# Altium PCB PIR_Sensor_Output_V1.3.1_Nov2023_1402.06.05.PcbDoc
Units mil, origin at the board's own origin, x right, y up, seen from the top; angles counter-clockwise.
Board outline 2227 x 2244.84 mil, 2 copper layers (Top Layer, Bottom Layer); 69 components, 0 nets, 174 pads, 69 vias.
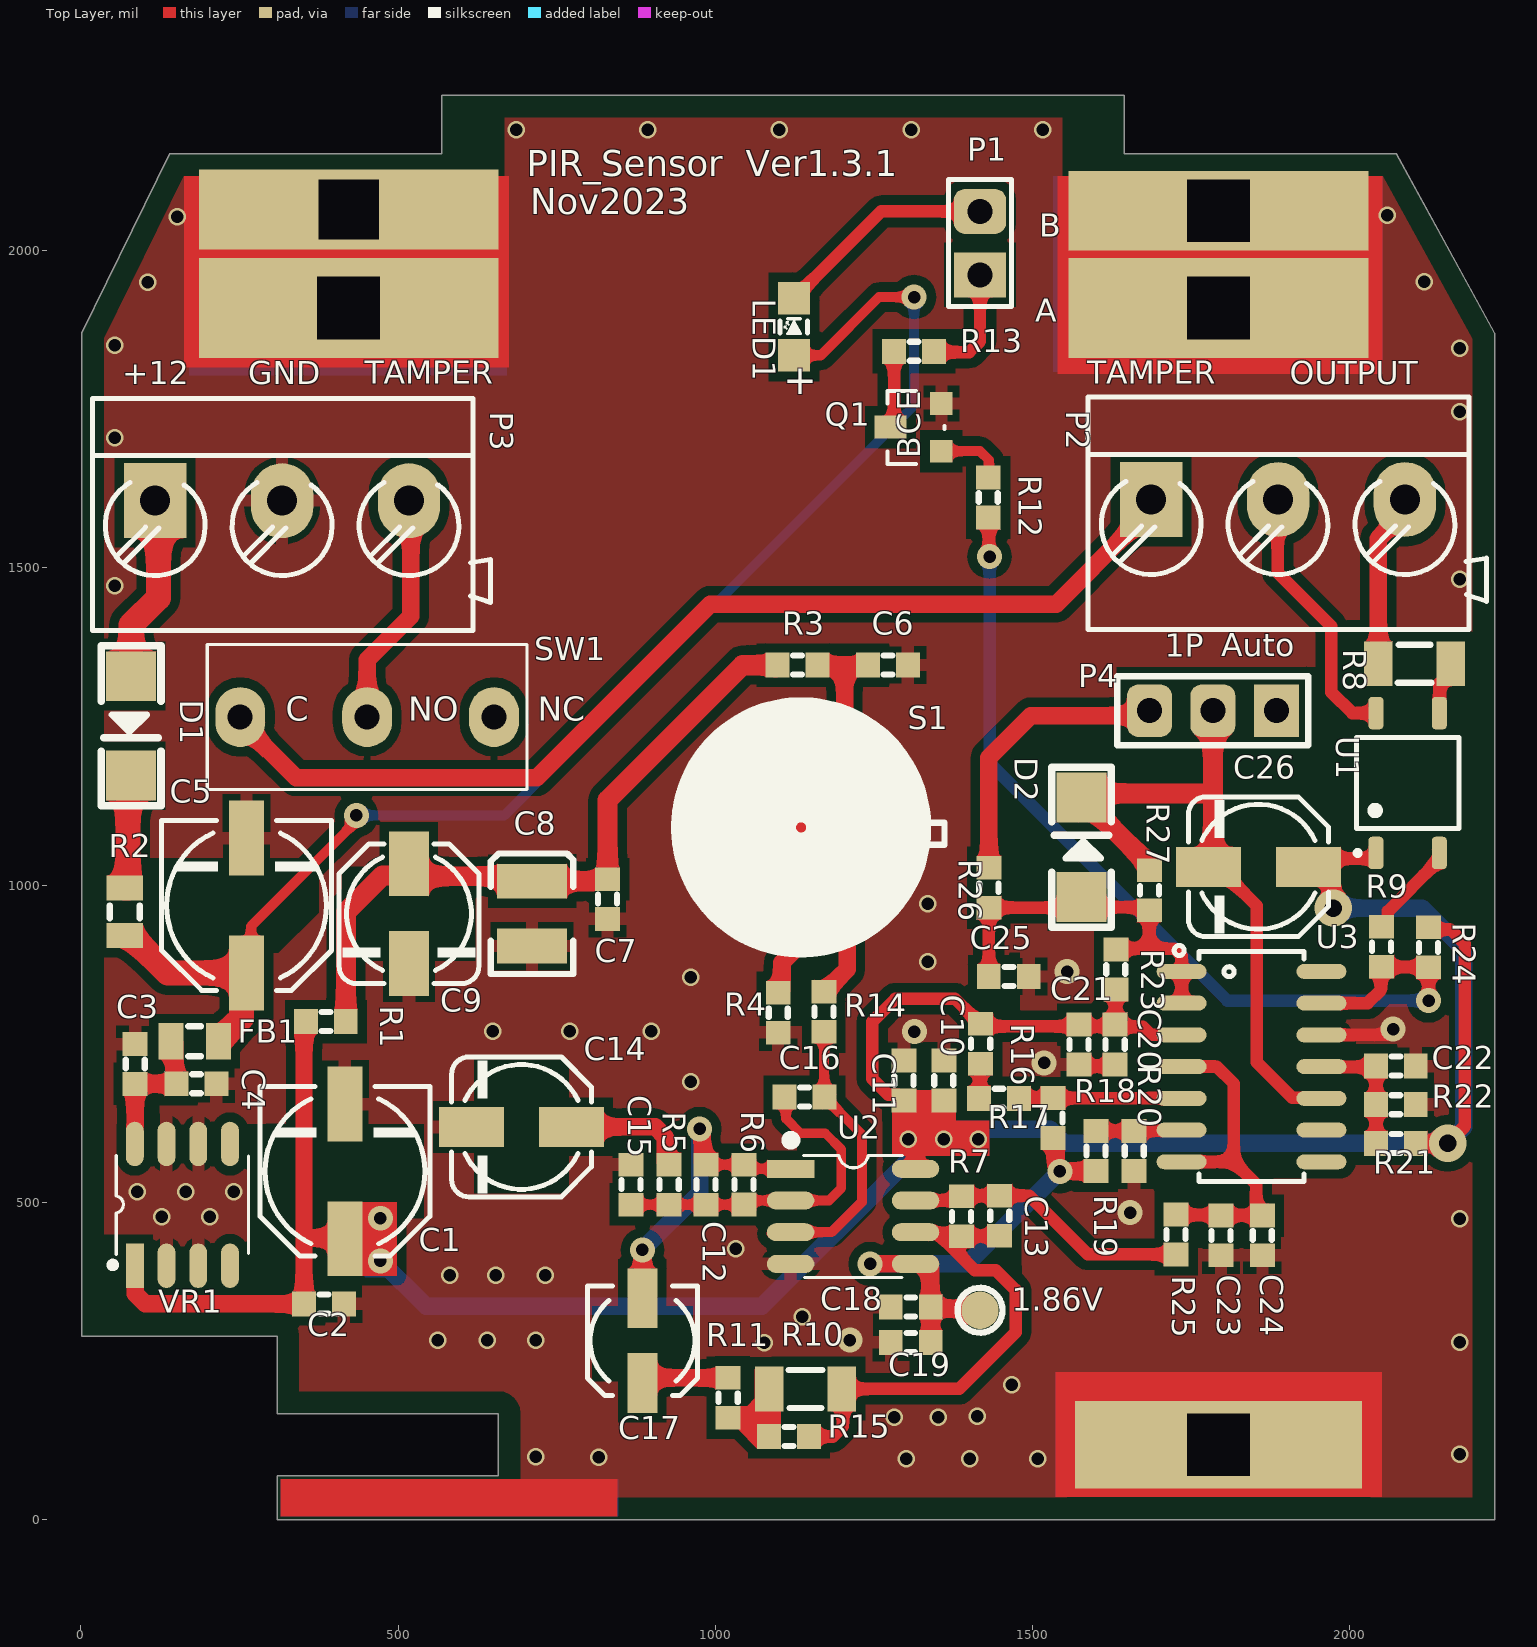
[diagram p0: Top Layer view]
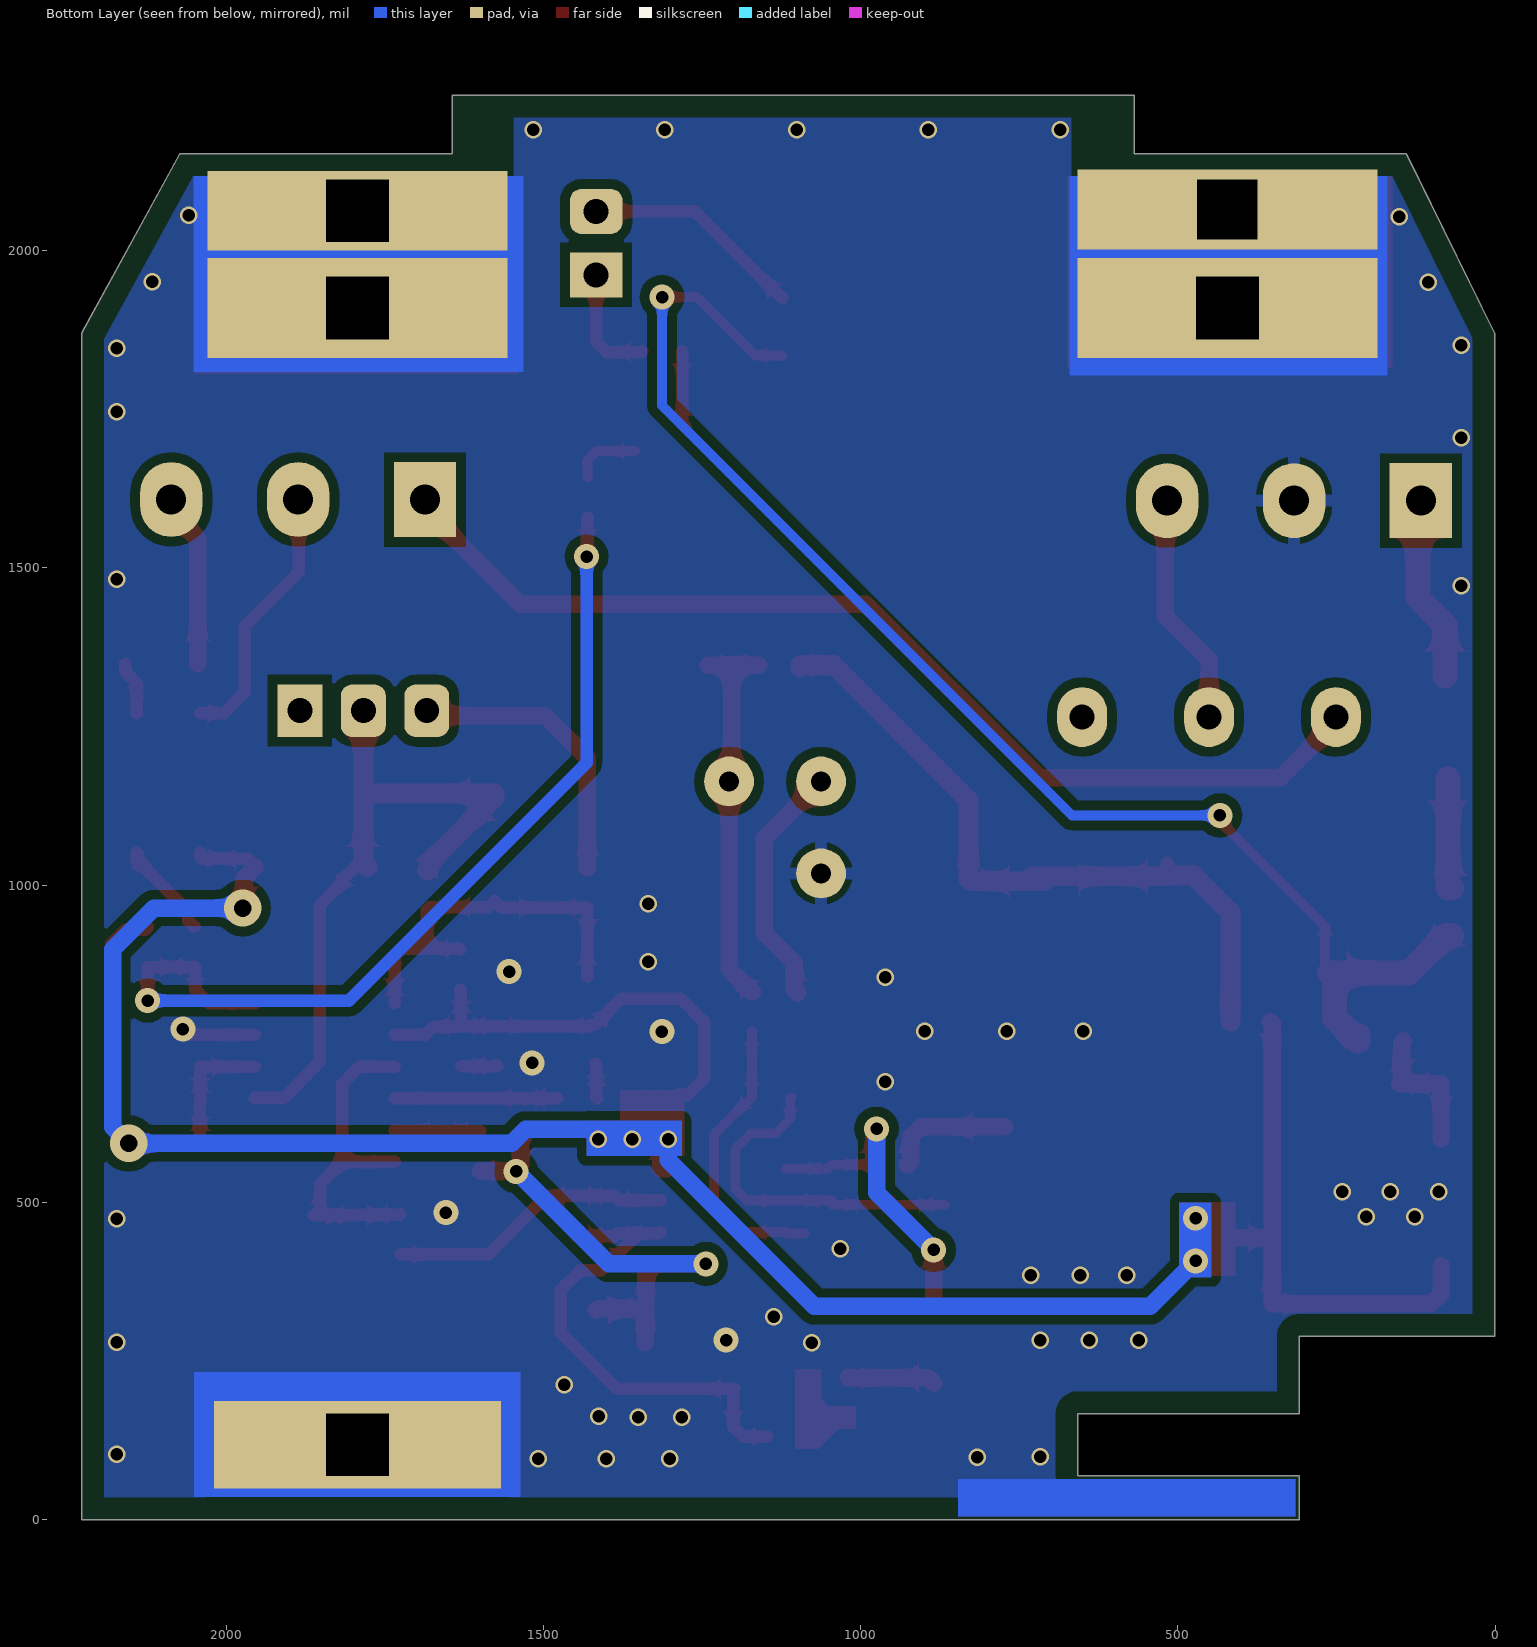
[diagram p1: Bottom Layer view, seen from below]

## Layer stack, top to bottom
Top Solder: solder mask 0.4, Solder Resist, Dk 3.5
Top Layer: signal copper 1.4
Dielectric 1: dielectric 12.6, FR-4, Dk 4.8
Bottom Layer: signal copper 1.4
Bottom Solder: solder mask 0.4, Solder Resist, Dk 3.5

## Board outline
309,0.16 309,68.78 658,68.78 658,167.22 309,167.22 309,289 1,289 1,1870 140.14,2153 569,2153 569,2245 1644,2245 1644,2153 2073,2153 2228,1870 2228,0.16

## Design rules (kind name [scope] priority, off if disabled: settings)
Clearance [All] p1: gap=10 ignorepadtopadclearanceinfootprint=FALSE except(0: Arc-Hole Track-Hole SMDPad-Hole THPad-Hole Via-Hole Fill-Hole Poly-Hole Region-Hole Text-Hole)
PolygonConnect [All] p1: connectstyle=Relief reliefconductorwidth=10 reliefentries=4 polygonreliefangle="90 Angle" airgapwidth=10
RoutingVias [All] p1: holewidth=28 width=50 viastyle="Through Hole" minholewidth=28 minwidth=50 maxholewidth=28 maxwidth=50
SolderMaskExpansion [All] p1: expansion=4 istentingtop=FALSE
Width [All] p1: maxlimit=10 minlimit=10 preferedwidth=10
30 further rules are at their usual default settings.

## Components (designator, comment, footprint, x,y, rotation, side; value= is the part's Value field where it differs from the comment)
1.86V "" TPSMD_C1 1417,330 r90 top net-tie
C1 "" CAP_EL_SMD_6X8 416,549 r90 top
C2 "" Cap_0603_Nominal 383,340 r180 top
C3 "" Cap_0603_Nominal 85.37,718.16 r270 top
C4 "" Cap_0603_Nominal 182,687 r180 top
C5 "" CAP_EL_SMD_6X8 261,968 r90 top
C6 "" Cap_0603_Nominal 1272,1347 r180 top
C7 "" Cap_0603_Nominal 830,978 r90 top
C8 "" Cap_Tantal(3528)_B 711,955 r90 top
C9 "" CAP_EL_SMD_5 517,955 r270 top
C10 "" Cap_0603_Nominal 1360,692 r270 top
C11 "" Cap_0603_Nominal 1297,692 r270 top
C12 "" Cap_0603_Nominal 985,528 r270 top
C13 "" Cap_0603_Nominal 1448,479 r270 top
C14 "" CAP_EL_SMD_5 694.26,619 r180 top
C15 "" Cap_0603_Nominal 867,528 r90 top
C16 "" Cap_0603_Nominal 1140.5,666 r180 top
C17 "" CAP_EL_SMD_4 885,282 r90 top
C18 "" Cap_0603_Nominal 1308,335 r0 top
C19 "" Cap_0603_Nominal 1308,279 r0 top
C20 "" Cap_0603_Nominal 1630,749 r90 top
C21 "" Cap_0603_Nominal 1573,749 r90 top
C22 "" Cap_0603_Nominal 2072.49,715 r180 top
C23 "" Cap_0603_Nominal 1797,448 r90 top
C24 "" Cap_0603_Nominal 1862,448 r90 top
C25 "" Cap_0603_Nominal 1462.5,856 r0 top
C26 "" CAP_EL_SMD_5 1855.74,1029 r180 top
D1 "" DIODE_SMA 79,1251 r270 top
D2 "" DIODE_SMA 1577,1060 r90 top
FB1 "" INDUCTOR_0805_Nominal 179,754 r0 top
LED1 "" LED_0805_NOMINAL 1122.82,1835.78 r90 top
P1 "" HDR_M_1X2_2.54mm 1417,2012 r90 top
P2 "" CON_KF301_5MM_3PIN 1886.78,1607.82 r0 top
P3 "" CON_KF301_5MM_3PIN 317,1606 r0 top
P4 "" HDR_M_1X3_2.54mm 1784,1275 r180 top
Q1 "" SOT23_BJT 1316,1721.5 r90 top
R1 "" Res_0603_Nominal 386,785 r180 top
R2 "" Res_0805_Nominal 69,958 r90 top
R3 "" Res_0603_Nominal 1129.5,1347 r0 top
R4 "" Res_0603_Nominal 1099,799 r90 top
R5 "" Res_0603_Nominal 927,528 r90 top
R6 "" Res_0603_Nominal 1045,528 r270 top
R7 "" Res_0603_Nominal 1388,478 r270 top
R8 "" Res_1206_NOMINAL 2102,1349 r0 top
R9 "" Res_0603_Nominal 2050,903 r90 top
R10 "" Res_1206_NOMINAL 1142,206 r180 top
R11 "" Res_0603_Nominal 1020,192 r90 top
R12 "" Res_0603_Nominal 1430,1611 r270 top
R13 "" Res_0603_Nominal 1313,1841.5 r180 top
R14 "" Res_0603_Nominal 1171,800.5 r90 top
R15 "" Res_0603_Nominal 1116,131 r180 top
R16 "" Res_0603_Nominal 1418,750 r90 top
R17 "" Res_0603_Nominal 1447,664 r180 top
R18 "" Res_0603_Nominal 1532,633 r270 top
R19 "" Res_0603_Nominal 1600,581 r90 top
R20 "" Res_0603_Nominal 1660,581 r270 top
R21 "" Res_0603_Nominal 2072.49,593 r180 top
R22 "" Res_0603_Nominal 2072.49,654 r0 top
R23 "" Res_0603_Nominal 1631,867 r270 top
R24 "" Res_0603_Nominal 2124,902 r270 top
R25 "" Res_0603_Nominal 1726,449.5 r270 top
R26 "" Res_0603_Nominal 1431,996 r90 top
R27 "" Res_0603_Nominal 1684,992 r90 top
S1 "" SENSOR_PIR_TO39 1135,1091 r270 top
SW1 "KLS7-KW10_12X5.0X6.0MM" SW_KLS7-KW10 451,1265 r0 top
U1 "" SOIC254P610X218-4N 2091,1161 r90 top
U2 "" SOIC8 1217,478 r0 top
U3 "" SO_14 1845,714 r0 top
VR1 "" SOP8 249,421 r90 top

## Footprints (in the part's own frame and the unit in brackets; to place one, negate y for a bottom-side part, rotate by r counter-clockwise, add the part's x,y. Pads: shape width x height; smd on the part's side, far side on the other; paste and mask are expansions set on the pad)
Cap_0603_Nominal [mm]
  rect 0.95x1 smd: 1(-0.8,0) 2(0.8,0)
  silkscreen extent -0.17,-0.38 0.17,0.38, body extent -0.8,-0.4 0.8,0.4, height 0.3
CAP_EL_SMD_4 [mm] "Electrolytic Cap, D: 4.3mm, Size B, 5.5mm Height"
  rect 2.4x1.2 smd: 1(-1.7,0) 2(1.7,0)
  Top Layer pour cut-out: 1.397,2.032 1.397,-2.032 -1.651,-2.032 -1.651,2.032
  silkscreen extent -2.2,-2.2 2.2,2.2, body extent -2.5,-2.15 2.5,2.15, height 5.5
CAP_EL_SMD_5 [mm] "Electrolytic Cap, D: 5.0mm, L: 5.8mm, Size C"
  rect 2.6x1.6 smd: 1(-2,0) 2(2,0)
  Top Layer pour cut-out: 1.905,2.667 1.905,-2.7 -1.905,-2.7 -1.905,2.667
  silkscreen extent -2.8,-2.8 2.8,2.8, body extent -3,-2.65 3,2.65
CAP_EL_SMD_6X8 [mm] "Electrolytic Cap, D: 6.3mm L: 7.7mm, Size D"
  rect 3x1.4 smd: 1(-2.7,0) 2(2.7,0)
  Top Layer pour cut-out: 1.905,3.175 1.905,-3.175 -1.905,-3.175 -1.905,3.175
  silkscreen extent -3.4,-3.4 3.4,3.4, body extent -3.65,-3.3 3.65,3.3, height 7.7
Cap_Tantal(3528)_B [mm]
  rect 1.4x2.8 smd: 1(1.3,0) 2(-1.3,0)
  silkscreen extent -2.41,-1.65 2.41,1.65, body extent -1.85,-1.47 1.85,1.46, height 2.03
CON_KF301_5MM_3PIN [mm] "Terminal Block Blue"
  rect 2.5x3 hole 1.2: 1(-5.08,0)
  oval 2.5x3 hole 1.2: 2(0,0) 3(5.08,0)
  silkscreen extent -7.6,-5.2 8.34,4.1, body extent -7.49,-5.07 8.33,4, height 12.78
DIODE_SMA [mm]
  rect 2x2 smd: 1(-1.99,0) 2(1.99,0)
  silkscreen extent -3.21,-1.19 3.19,1.2, body extent -2.6,-1.3 2.6,1.3, height 2.45
HDR_M_1X2_2.54mm [mm]
  rect 1.8x2.1 hole 1: 1(-1.27,0)
  rrect50% 1.8x2.1 hole 1: 2(1.27,0)
  silkscreen extent -2.54,-1.27 2.54,1.27, body extent -2.54,-1.25 2.54,1.25, height 8.55
HDR_M_1X3_2.54mm [mm]
  rect 1.8x2.1 hole 1: 1(-2.54,0)
  rrect50% 1.8x2.1 hole 1: 2(0,0) 3(2.54,0)
  silkscreen extent -3.82,-1.38 3.82,1.38, body extent -3.81,-1.27 3.81,1.22, height 8.59
INDUCTOR_0805_Nominal [mm]
  rect 1x1.45 smd: 1(-0.95,0) 2(0.95,0)
  silkscreen extent -0.25,-0.6 0.25,0.6, body extent -1.1,-0.72 1.1,0.73, height 0.55
LED_0805_NOMINAL [mm]
  rect 1.3x1.27 smd: 1(-0.02,-0.03) 2(2.266,-0.03)
  Top Layer pour cut-out: 0.63,0.595 0.63,-0.655 1.616,-0.655 1.616,0.595
  silkscreen extent 0.84,-0.57 1.45,0.54, body extent 0.09,-0.62 2.11,0.63, height 1.1
Res_0603_Nominal [mm]
  rect 0.95x1 smd: 1(-0.8,0) 2(0.8,0)
  silkscreen extent -0.17,-0.38 0.17,0.38, body extent -0.8,-0.42 0.84,0.43, height 0.26
Res_0805_Nominal [mm]
  rect 1x1.45 smd: 1(-0.95,0) 2(0.95,0)
  silkscreen extent -0.25,-0.6 0.25,0.6, body extent -1,-0.62 1,0.63, height 0.47
Res_1206_NOMINAL [mm]
  rect 1.15x1.8 smd: 1(1.45,0) 2(-1.45,0)
  silkscreen extent -0.67,-0.76 0.67,0.76, body extent -1.6,-0.79 1.6,0.81, height 0.53
SENSOR_PIR_TO39 [mm]
  round 2 hole 0.8 mask+0.102: 1(-1.842,1.841) 2(-1.841,-1.842)
  round 2 hole 0.8: 3(1.842,-1.841)
  silkscreen extent -4.73,-4.47 4.35,5.74, body extent -6.43,-6.43 6.43,6.43, height 4.75
SO_14 [mm] "SOP, SOIC, 3.9mm width, 1.27mm pitch,"
  oval 2x0.6 smd: 1(-2.8,3.81) 2(-2.8,2.54) 3(-2.8,1.27) 4(-2.8,0) 5(-2.8,-1.27) 6(-2.8,-2.54) 7(-2.8,-3.81) 8(2.8,-3.81) 9(2.8,-2.54) 10(2.8,-1.27) 11(2.8,0) 12(2.8,1.27) 13(2.8,2.54) 14(2.8,3.81)
  silkscreen extent -3.09,-4.6 2.1,4.85, body extent -3.1,-4.38 3.1,4.37, height 1.75
SOIC8 [mm]
  rect 1.9x0.72 smd: 1(-2.5,1.905)
  oval 1.9x0.72 smd: 2(-2.5,0.635) 3(-2.5,-0.635) 4(-2.5,-1.905) 5(2.5,-1.905) 6(2.5,-0.635) 7(2.5,0.635) 8(2.5,1.905)
  silkscreen extent -2.51,-2.45 1.98,3.07, body extent -2.89,-2.46 2.89,2.44, height 1.45
SOIC254P610X218-4N [mm]
  rrect50% 1.3x0.6 smd: 1(-2.8,1.27) 2(-2.8,-1.27) 3(2.8,-1.27) 4(2.8,1.27)
  silkscreen extent -2.9,-2.05 1.83,2.1, body extent -3.1,-2.15 3.1,2.15, height 2.18
SOP8 [mm]
  rect 1.78x0.72 smd: 1(-0.53,4.17)
  oval 1.78x0.72 smd: 2(-0.53,2.9) 3(-0.53,1.63) 4(-0.53,0.36) 5(4.347,0.36) 6(4.347,1.63) 7(4.347,2.9) 8(4.347,4.17)
  silkscreen extent -0.62,-0.38 3.88,5.18, body extent -0.98,-0.2 4.8,4.7, height 1.45
SOT23_BJT [mil]
  rect 36x36 smd: 1(-37.5,-40) 2(37.5,-40)
  rect 36x50 smd: 3(0.5,40)
  silkscreen extent -57,-45 58,45, body extent -59,-49 59,49, height 42
SW_KLS7-KW10 [mm]
  oval 2x2.4 hole 1: 1(-5.08,0) 2(5.08,0) 3(0,0)
  silkscreen extent -6.4,-2.9 6.4,2.9, body extent -6.4,-2.9 6.73,2.9, height 11.52
TPSMD_C1 [mm] "Test Point, SMD Pad, Circle, 1mm X 1mm"
  round 1.5 smd paste-1.016 mask+0.025: 1(0,0)
  silkscreen extent -0.9,-0.9 0.9,0.9

## Part data
1.86V: library part TESTPOINT_SMD, "TEST POINT"
C1 C5 C9 C14 C17 C26: library part Cap_Electrical
C2 C3 C4 C6 C7 C10 C11 C12 C13 C15 C16 C18 C19 C20 C21 C22 C23 C24 C25: library part Cap, "0603"
C8: library part Cap_Electrical, "Tant"
D1 D2: library part Diode, "B350A"
FB1: library part "FERRITE BEAD"
LED1: library part LED
P1: library part "Header 2", "Header, 2-Pin"
P2 P3: library part Con_3PIN
P4: library part "Header 3", "Header,3-Pin"
Q1: library part MMBT3904
R1 R3 R4 R5 R6 R7 R8 R9 R11 R12 R13 R14 R15 R16 R17 R18 R19 R20 R21 R22 R23 R24 R25 R26 R27: library part RES, "0603"
R2: library part RES, "0805"
R10: library part "Res Adj1", "Variable Resistor"
S1: library part PIR_Sensor
SW1: library part "Micro switch", "SWITCH SNAP ACTION SPDT 2A 125V", Package=None, Availability=Unavailable, MF=E-Switch, MP=MS0850502F030P1A, PRICE=None, SnapEDA_Link=https://www.snapeda.com/parts/MS0850502F030P1A/E-Switch/view-part/1129959/?ref=snap
U1: library part CPC1017N, "Solid State SPST-NO _1 Form A_ 4-SOP _0.150, 3.81mm_"
U2: library part LM358
U3: library part LM339DT, "LM339 Series Quad 32 V 250 nA SMT Low Power Voltage Comparator - SOIC-14"
VR1: library part 78L05A

## Free pads (board coordinates)
  rect 472.44x157.48 hole 98.43 square: 0(422,1910) 0(1793,1910)
  rect 472.44x125.98 hole 94.49 square: 0(422,2065)
  rect 452.76x137.8 hole 98.43 square: 0(1793,118)
  rect 472.44x125.98 hole 98.43 square: 0(1793,2063)

## Via types
v1: diameter 27.56, hole 19.68, Top Layer to Bottom Layer, tented both sides, 51 vias
v2: diameter 39.37, hole 19.68, Top Layer to Bottom Layer, tented both sides, 16 vias
v3: diameter 59.06, hole 27.56, Top Layer to Bottom Layer, tented both sides, 2 vias

## Nets (pads, with @x,y where several pads share a name; then routed paths per layer and width w, separated by ;. In a path a pad name is that pad's centre, name@x,y a point inside that pad or via, vN(x,y) a via of type N, cw(c..) or ccw(c..) an arc to the next point about the centre after c; other vN are vias at no path point)
pads on no net: 1.86V.1 C1.1 C1.2 C2.1 C2.2 C3.1 C3.2 C4.1 C4.2 C5.1 C5.2 C6.1 C6.2 C7.1 C7.2 C8.1 C8.2 C9.1 C9.2 C10.1 C10.2 C11.1 C11.2 C12.1 C12.2 C13.1 C13.2 C14.1 C14.2 C15.1 C15.2 C16.1 C16.2 C17.1 C17.2 C18.1 C18.2 C19.1 C19.2 C20.1 C20.2 C21.1 C21.2 C22.1 C22.2 C23.1 C23.2 C24.1 C24.2 C25.1 C25.2 C26.1 C26.2 D1.1 D1.2 D2.1 D2.2 FB1.1 FB1.2 LED1.1 LED1.2 P1.1 P1.2 P2.1 P2.2 P2.3 P3.1 P3.2 P3.3 P4.1 P4.2 P4.3 Q1.1 Q1.2 Q1.3 R1.1 R1.2 R2.1 R2.2 R3.1 R3.2 R4.1 R4.2 R5.1 R5.2 R6.1 R6.2 R7.1 R7.2 R8.1 R8.2 R9.1 R9.2 R10.1 R10.2 R11.1 R11.2 R12.1 R12.2 R13.1 R13.2 R14.1 R14.2 R15.1 R15.2 R16.1 R16.2 R17.1 R17.2 R18.1 R18.2 R19.1 R19.2 R20.1 R20.2 R21.1 R21.2 R22.1 R22.2 R23.1 R23.2 R24.1 R24.2 R25.1 R25.2 R26.1 R26.2 R27.1 R27.2 S1.1 S1.2 S1.3 SW1.1 SW1.2 SW1.3 U1.1 U1.2 U1.3 U1.4 U2.1 U2.2 U2.3 U2.4 U2.5 U2.6 U2.7 U2.8 U3.1 U3.2 U3.3 U3.4 U3.5 U3.6 U3.7 U3.8 U3.9 U3.10 U3.11 U3.12 U3.13 U3.14 VR1.1 VR1.2 VR1.3 VR1.4 VR1.5 VR1.6 VR1.7 VR1.8
copper on no net: | length 22343.3
  Top Layer w15: 867,496.5 927,496.5 985,496.5 1045,496.51 ; 985,559.5 1045,559.5 1051.49,553 1118.57,553 ; 1045,503 1118.57,503 1179,503 1198,522 1198,584 1173,609 1134,609 1111,632 1111,664.01 1109.01,666
  Top Layer w15.75: 261,861.7 268.15,868.85 268.15,935.15 429.48,1096.48 429.48,1105.48 v2(434,1110) ; 1088.59,450.59 1116.16,450.59 1118.57,453 1183,453 1231,501 1231,607 1183.81,654.19 1182.83,654.19 1172.1,664.92 1172.1,665.9 1171.5,666.5 1171.5,768.51 1171,769.01 ; 1123,1834 1124,1835 1166,1835 1258,1927 v2(1313,1927) ; 1356,1684 1417,1684 1431,1670 1431,1643.5 1430,1642.5
  Top Layer w19.68: 1124,1925 1124,1925.59 1139.16,1940.75 1139.75,1940.75 1261,2062 1417,2062 ; 1147.5,131 1185,131 1201,147 1201,204.09 1199.09,206 1384,206 1473,295 1473,362 1442,393 1409,393 1350.66,451.34 ; 1276,1722 1281.5,1727.5 1281.5,1841.5 ; 1295.5,659 1297,660.5 ; 1315.43,453 1317.08,451.34 1350.66,451.34 ; 1315.43,503 1381.5,503 1388,509.5 ; 1344.5,1841.5 1346,1840 1400,1840 1417,1857 1417,1962 ; 1360,660.5 1297,660.5 ; 1389,510.5 1494.5,510.5 1586.99,418.01 1726,418.01 ; 1390.75,445.25 1391,445.5 ; 1415.5,664 1416.75,665.25 1416.75,717.26 1418,718.5 ; 1418,781.5 1417.02,781.5 1377.51,821 1283.53,821 1247,784.47 1247,695 1272.64,669.36 1288.14,669.36 1297,660.5 ; 1425.02,780.32 1427.84,777.5 1630,777.5 1630.5,778 1630.5,835 1631,835.5 ; 1430,1579.5 1431,1578.5 1431,1519 v2(1432,1518) ; 1431,856 1431,964.5 1566.15,964.5 1577,975.35 1587.07,965.28 1679.22,965.28 1684,960.5 1683.78,960.29 1683.78,900 ; 1448,447.5 1447.5,447 1388.5,447 1388,446.5 1383.16,451.34 1350.66,451.34 ; 1478.5,664 1478.74,664.25 1531.75,664.25 1532,664.5 1532.25,664.25 1734.52,664.25 1734.76,664 ; 1530,662 1531,663 ; 1573,714.5 1629.5,714.5 1629.75,714.76 1630,714.5 ; 1573.5,717 1573.76,717.25 ; 1599.5,612 1600,612.5 1660,612.5 1660.75,613.25 1734.01,613.25 1734.76,614 ; 1630.86,776.64 1673.82,776.64 1686.46,764 1734.76,764 ; 1631,898.5 1632.5,900 1683.78,900 ; 1726,481 1726.75,480.25 1796.25,480.25 1797,479.5 1852.16,479.5 1861.02,479.5 ; 1734.76,564 1817,564 ; 1734.76,714 1790,714 1817,687 1817,564 ; 1734.76,814 1734.76,864 1734.76,888.47 1723.23,900 1683.78,900 ; 1791.88,1029 1796.69,1029 1818.34,1007.35 1818.34,1002.54 1853,967.88 1853,721 1909.25,664.75 1954.48,664.75 1955.24,664 ; 1862,479.5 1861.02,479.5 ; 1886.11,1607.14 1886.11,1492.89 1971,1408 1971,1304 2003.76,1271.24 2041,1271.24 ; 1954.17,1029 1967.17,1042 2039.03,1042 2041,1043.97 2041,1050.76 ; 1955.24,714 1955.74,713.5 2040.5,713.5 2041,713 2041,654 2041.5,653.5 2041.5,595.5 2042,595 ; 1955.24,764 2053.73,764 2062.92,773.19 v2(2068.25,773.19) ; 1955.24,814 2028,814 2048.81,834.81 2048.81,870.31 2050,871.5 2050.5,871 2123.5,871 2124,870.5 v2(2124,818) ; 2050,934.5 2050.98,934.5 2059.84,943.35 2059.84,958.84 2136.02,1035.02 2139.03,1035.02 2141,1036.98 2141,1050.76 ; 2103.95,592.93 2153.93,592.93 v3(2154,593) 2181,620 2181,908 2159,930 2127.5,930 2124,933.5 2125.5,935 ; 2141,1271.24 2141,1318.12 2159.09,1336.2 2159.09,1349 ; 1817,564 1852.16,528.84 1852.16,488.35 1861.02,479.5
  Top Layer w23.62: 517,1029.75 517,1033.74
  Top Layer w27.56: 74,1167.67 79,1172.67 ; 84.83,400.13 85.22,399.74 85.22,356.14 101.36,340 347.49,340 351.5,340 351.5,782 354.5,785 ; 84.83,600.13 84.83,621.21 85.37,621.76 85.37,686.66 85.71,687 150.5,687 147.55,689.95 147.55,751.05 144.6,754 144.6,755 ; 251,1265 251,1257.13 339.13,1169 718,1169 992,1443 1537,1443 1654.72,1560.72 1655.57,1560.72 1691,1596.16 1691,1606 ; 357.11,444 415.3,444 450,444 ; 415.3,442 416,442.7 ; 451,1265 451,1355 520,1424 520,1603 517,1606 ; 773,619 904.95,619 921.09,602.86 921.09,564.42 926.02,559.5 927,559.5 ; 885,215.07 893.43,223.5 1020,223.5 ; 885,348.93 v2(885,425) ; v2(975,616) 975,612.8 979.09,608.71 979.09,564.42 984.02,559.5 985,559.5 ; 1062.5,1163.5 1152,1074 1152,925 1104.91,877.91 1104.91,835.42 1099.98,830.5 1099,830.5 ; 1161,1347 1203.54,1347 ; 1171,832 1175.92,836.92 1176.91,836.92 1207.5,867.52 1207.5,1163.5 1203.54,1167.46 1203.54,1347 ; 1240.5,1347 1203.54,1347 ; v2(1244,403) 1338.37,403 1338.73,402.64 1338.73,335.76 1339.5,335 ; v1(1303.71,599.47) 1315.43,587.75 1315.43,553 1306.27,553 1305.91,553.36 ; 1339.5,279 1339.5,335 ; 1417,330 1414.5,332.5 1342,332.5 1339.5,335 ; 1431,1027.5 1431,1201 1497.37,1267.37 1676.37,1267.37 1684,1275 ; 1532.08,601.42 1536.46,597.04 1536.46,558.74 1542.84,552.36 v2@1542.84,548.84 ; v2@1543.33,549 1543.42,549.09 1599.59,549.09 ; 1954.17,1029 1971.88,1011.28 1971.88,966.12 v3(1974,964) ; 2044.91,1349 2044.91,1546.4 2091,1592.48 2091,1606
  Top Layer w31.5: 417.5,785 417.5,957.5 475,1015 524.25,1015 ; 515,1014.06 729.12,1014.06 732.17,1011 ; 710.99,1006.18 825.7,1006.18 829.02,1009.5 830,1009.5 830,1134 1043,1347 1095.06,1347 1095.06,1343.06 ; 723.99,1009.18 725.81,1011 732.17,1011 ; 733.99,1009.18 732.17,1011 ; 1577,1138.33 1680.06,1035.27 1680.06,1026.45 1683.02,1023.5 1684,1023.5 ; 1577,1144.65 1778.59,1144.65 1784,1139.24 ; 1777,1029 1784,1036 1784,1139.24 ; 1784,1275 1784,1139.24
  Top Layer w39.37: 69,920.6 77.86,920.6 136.76,861.7 261,861.7 253.13,853.83 253.13,790.72 225.26,762.86 216.4,762.86 216.4,754 ; 69,995.4 74,995.4 74,1167.67 ; 79,1329.33 79,1410 122,1453 122,1601 117,1606 ; 308,1606 319,1595
  Bottom Layer w15.75: v2(434,1110) 667,1110 1313,1756 v2(1313,1927)
  Bottom Layer w19.68: v2(1432,1518) 1432,1192.73 1806.73,818 v2(2124,818)
  Bottom Layer w27.56: v2(472,408) 544,336 1073,336 1303.71,566.71 v1(1303.71,599.47) ; v2(472,475) v2@483.22,486.22 ; v2(885,425) 975,515 v2(975,616) ; v2(1244,403) 1397,403 v2(1543,549) ; v1(1414,599.47) 1414,600.78 1428.22,615 1528,615 1550,593 v3(2154,593) 2179.22,618.22 2179.22,898.78 2114,964 v3(1974,964)
  other v1: 1301,96 1401,96 1508,96 816,98 717,99 2173,103 1282,161 1351,161 1413,163 1466.93,212.44 1077,279 2173,279.62 562,283 640,283 717,283 1137,320 581,385 654,385 732,385 1032,427 2173,474.23 127,477 203,477 89,517 165,517 241,517 1359.94,599.47 961,690 649,770 770,770 899,770 961,855 1334.7,879.13 1334.7,971 53.41,1472.01 2173,1482.45 53.41,1704.98 2173,1746 2173,1846 53.41,1851 105.15,1950 2117,1951 151.49,2053.86 2059,2056 685.68,2191 893.3,2191 1100.91,2191 1308.53,2191 1516.15,2191
  other v2: 1212,283 1653.72,483.79 1518,720 1313.51,769.08 1554.34,863.71

## Polygon pours and split planes (outlines as drawn)
no net on Bottom Layer "Top Layer-No Net" (solid, remove dead copper, pour order 0): -0.5,1875 140.14,2151.82 568.6,2153 568.83,2244.83 1643.3,2245.7 1645.06,2153.48 2071.24,2153.48 2228,1870 2228,0.16 310.87,0.16 309,289 2.01,289
no net on Top Layer "Top Layer-No Net" (solid, remove dead copper, pour order 2): 1,1870 140.14,2153 567.49,2153 568.01,2246 1644,2246 1644,2154 2071,2153 2228,1870 2226.97,1.16 309,0.16 309,289 264,289 1,289

## Other copper
Top Layer:
  rectangle: 314.11,5 846,64
  rectangle: 1539.42,1806 2051.22,2118
  rectangle: 162.12,1816 675,2117.7
  rectangle: 1278,573 1379.34,677
  rectangle: 1282,573 1432,629
  rectangle: 1536,36 2051,233
  rectangle: 409,384 498,501
  pour cut-out: 136,1043 107.85,1043 105.51,1040.66 105.51,1028.45 135.57,1028.45 136.11,1027.92
  pour cut-out: 176.28,797.54 181.72,797.54 181.72,789.84 182.05,789.51 175.73,789.51
  pour cut-out: 1546.82,2222 1546.82,2118 2065,2118 2065,2128 1626,2128 1624,2130 1624,2222
  pour cut-out: 55.65,450.17 35.17,450.17 35,450 36,449 36,313 73,313 79,319 77.06,320.94 77.06,340.01 62.58,354.49 62.58,369.38
  pour cut-out: 261.81,624.02 262.06,623.77 291.08,623.77 291.08,416.08 290,415 285.64,419.36 264,419.36
  pour cut-out: 124.27,631.48 124.27,651.84 124.27,652.71 124.27,653.95 109.18,653.95 109.18,634.24 111.7,631.73
  pour cut-out: 246.56,1060.46 246.64,1060.54 264.87,1060.54 264.87,1041.05 262.46,1038.64 262.11,1038.98 246.76,1038.98
  pour cut-out: 1194.7,1381.68 1206.8,1381.68 1206.97,1381.52 1206.97,1373.89 1194.21,1373.89 1194.17,1373.92
  pour cut-out: 1128.69,777.35 1138,777.35 1138,798.63 1138.37,799 1134.87,802.5 1128.03,802.5
  pour cut-out: 2034,1241 2057.06,1241 2077,1260.94 2077,1399.69 2123.09,1399.69 2123.09,1301.49 2123.09,1238.24 2178.85,1238.24 2181.62,1241.02 2183.84,1238.8 2183.84,1207.73 2034.33,1207.73 2033.78,1207.18
  pour cut-out: 1926.56,1344 1954.87,1344 1956.63,1276.67 1956.38,1276.42 1954.87,1277.93 1926.56,1277.93
  pour cut-out: 1878,775 1920.09,775 1921,775.9 1921.24,775.66 1921.24,754.09 1878.33,754.09 1877.72,754.69
  pour cut-out: 1989.79,890.12 2018.12,890.12 2019,891 2019,831 2001.25,831 1998.3,833.96 1998.3,866.64
  pour cut-out: 1835,698 1835,573.62 1871.2,537.42 1871.2,537.18 1922.52,537.18 1922.75,537.42 1914.68,545.5 1914.68,640.29 1849.82,705.15 1839.13,705.15
  pour cut-out: 1691.31,514.7 1691.31,520.76 1691.38,520.82 1691.32,520.88 1689.66,520.88 1689.66,540.51 1689.42,540.75 1689.54,540.87 1819.13,540.87 1827,533 1826.83,532.83 1826.83,513.2
  pour cut-out: 1637.73,1326.59 1645.19,1324.81 1643.12,1286.77 1628.94,1286.77 1632.05,1324.46
  pour cut-out: 1378.2,1876.19 1396.88,1876.21 1396.25,1863.78 1378.2,1863.78
  pour cut-out: 1456,424 1461.78,398.13 1483.42,382.25 1482.27,421.84
  pour cut-out: 1815.01,1221.47 1838.2,1221.64 1837.47,1244.55
  pour cut-out: 673,71 693.3,73 693.3,116 675,100
  pour cut-out: 2063,845 2062.71,812.49 2096.26,812.7 2097.94,845.83
  pour cut-out: 1994.4,1417.69 2016,1418 2017,1303 1995,1301 1993,1305
  pour cut-out: 1084,1895 1084,1875.59 1164,1872.52 1164,1884.41
  pour cut-out: 1991,1020 2002,984 2021,952 2049.26,972.43 2123.5,1053.4 2060.12,1053.4 2059.09,1018.73
  pour cut-out: 1305.38,250.99 1305.38,222 1375,222 1435,282 1435,289 1430,294 1402,294 1388,308 1368.17,307.85 1367.11,251.01
  pour cut-out: 559,2111 668,2111 668,2224 584,2224 584,2134 562,2134 559,2137
  pour cut-out: 1109.99,1190.92 1160.01,1190.92 1185,1165.93 1185,1082 1167,1082 1110.21,1138.79 1110.21,1149.88
  pour cut-out: 1462.04,891.94 1464,893.9 1480.59,893.9 1480.59,803.41 1481,803 1423,803 1423,827 1429.44,833.44 1460.51,833.44
  pour cut-out: 1760.44,427.7 1842.04,427.7 1841.95,427.79 1841.95,444.54 1760.44,444.54
  pour cut-out: 1881,754 2009.42,754 2009.96,754.54 2009.96,730.81 1885.81,730.81 1881,726
  pour cut-out: 1631.62,1321.98 1634.41,1324.78 1934.76,1324.78 1934.76,1341.74 1931.5,1345 1930.5,1344 1631.5,1344
  region: 1007.76,179 1050,179 1062,191 1062,237 1103,237 1103,111 1102,112 1066,112 1035,143 1007.76,143
  pour cut-out: 1088,257 1088,245.91 1175.09,245.91 1175.09,256.22 1175.57,256.7
Bottom Layer:
  rectangle: 314.37,5 847,64
  rectangle: 1536,36 2051,233
  rectangle: 170,1803 671.22,2117.99
  rectangle: 1531.81,1809 2052,2117.99
  rectangle: 1282,573 1432,629
  rectangle: 447,382 498,500
  pour cut-out: 673,71 693.3,73 693.3,116 675,100
  pour cut-out: 1546.82,2222 1546.82,2117.99 2065,2117.99 2065,2128 1626,2128 1624,2130 1624,2222
  pour cut-out: 559,2111 668,2111 668,2224 584,2224 584,2134 562,2134 559,2137

## Silkscreen, mask and mechanical layers (free items; w line width, h text height)
Top Overlay:
  circle w196.85: c1135,1090.99 r106.59
  text "PIR_Sensor  Ver1.3.1" at 702.87,2104 h70
  text "Nov2023" at 708,2044 h70
  text "B" at 1510.31,2010 h62.01
  text "A" at 1504,1876 h62.01
  text "+12" at 65,1778 h62.01
  text "GND" at 264,1778 h62.01
  text "TAMPER" at 447,1778.4 h62.01
  text "TAMPER" at 1586,1778.4 h62.01
  text "OUTPUT" at 1905,1778 h62.01
  text "+" at 1107,1758 h80
  text "1P" at 1708,1348.6 h62.01
  text "Auto" at 1797,1349 h62.01

## Text inside footprints (layer, text, board x,y; h text height)
Q1: Top Overlay "C" at 1334.4,1710.07 h62 r90; Top Overlay "E" at 1334.61,1748.07 h62 r90; Top Overlay "B" at 1334.61,1673.07 h62 r90
SW1: Top Overlay "NC" at 719.95,1246.41 h65; Top Overlay "NO" at 515.71,1246.35 h65; Top Overlay "C" at 322.87,1246.41 h65